# Altium PCB 10515.0500_Display_System（6拼版）_V1.0_20200907.PcbDoc (part 4 of 13)
Units mm, origin at the board's own origin, x right, y up, seen from the top; angles counter-clockwise.
Board outline 157 x 228.4 mm, 4 copper layers (Top Layer, Mid-Layer 1, Mid-Layer 2, Bottom Layer); 516 components, 0 nets, 1971 pads, 894 vias.
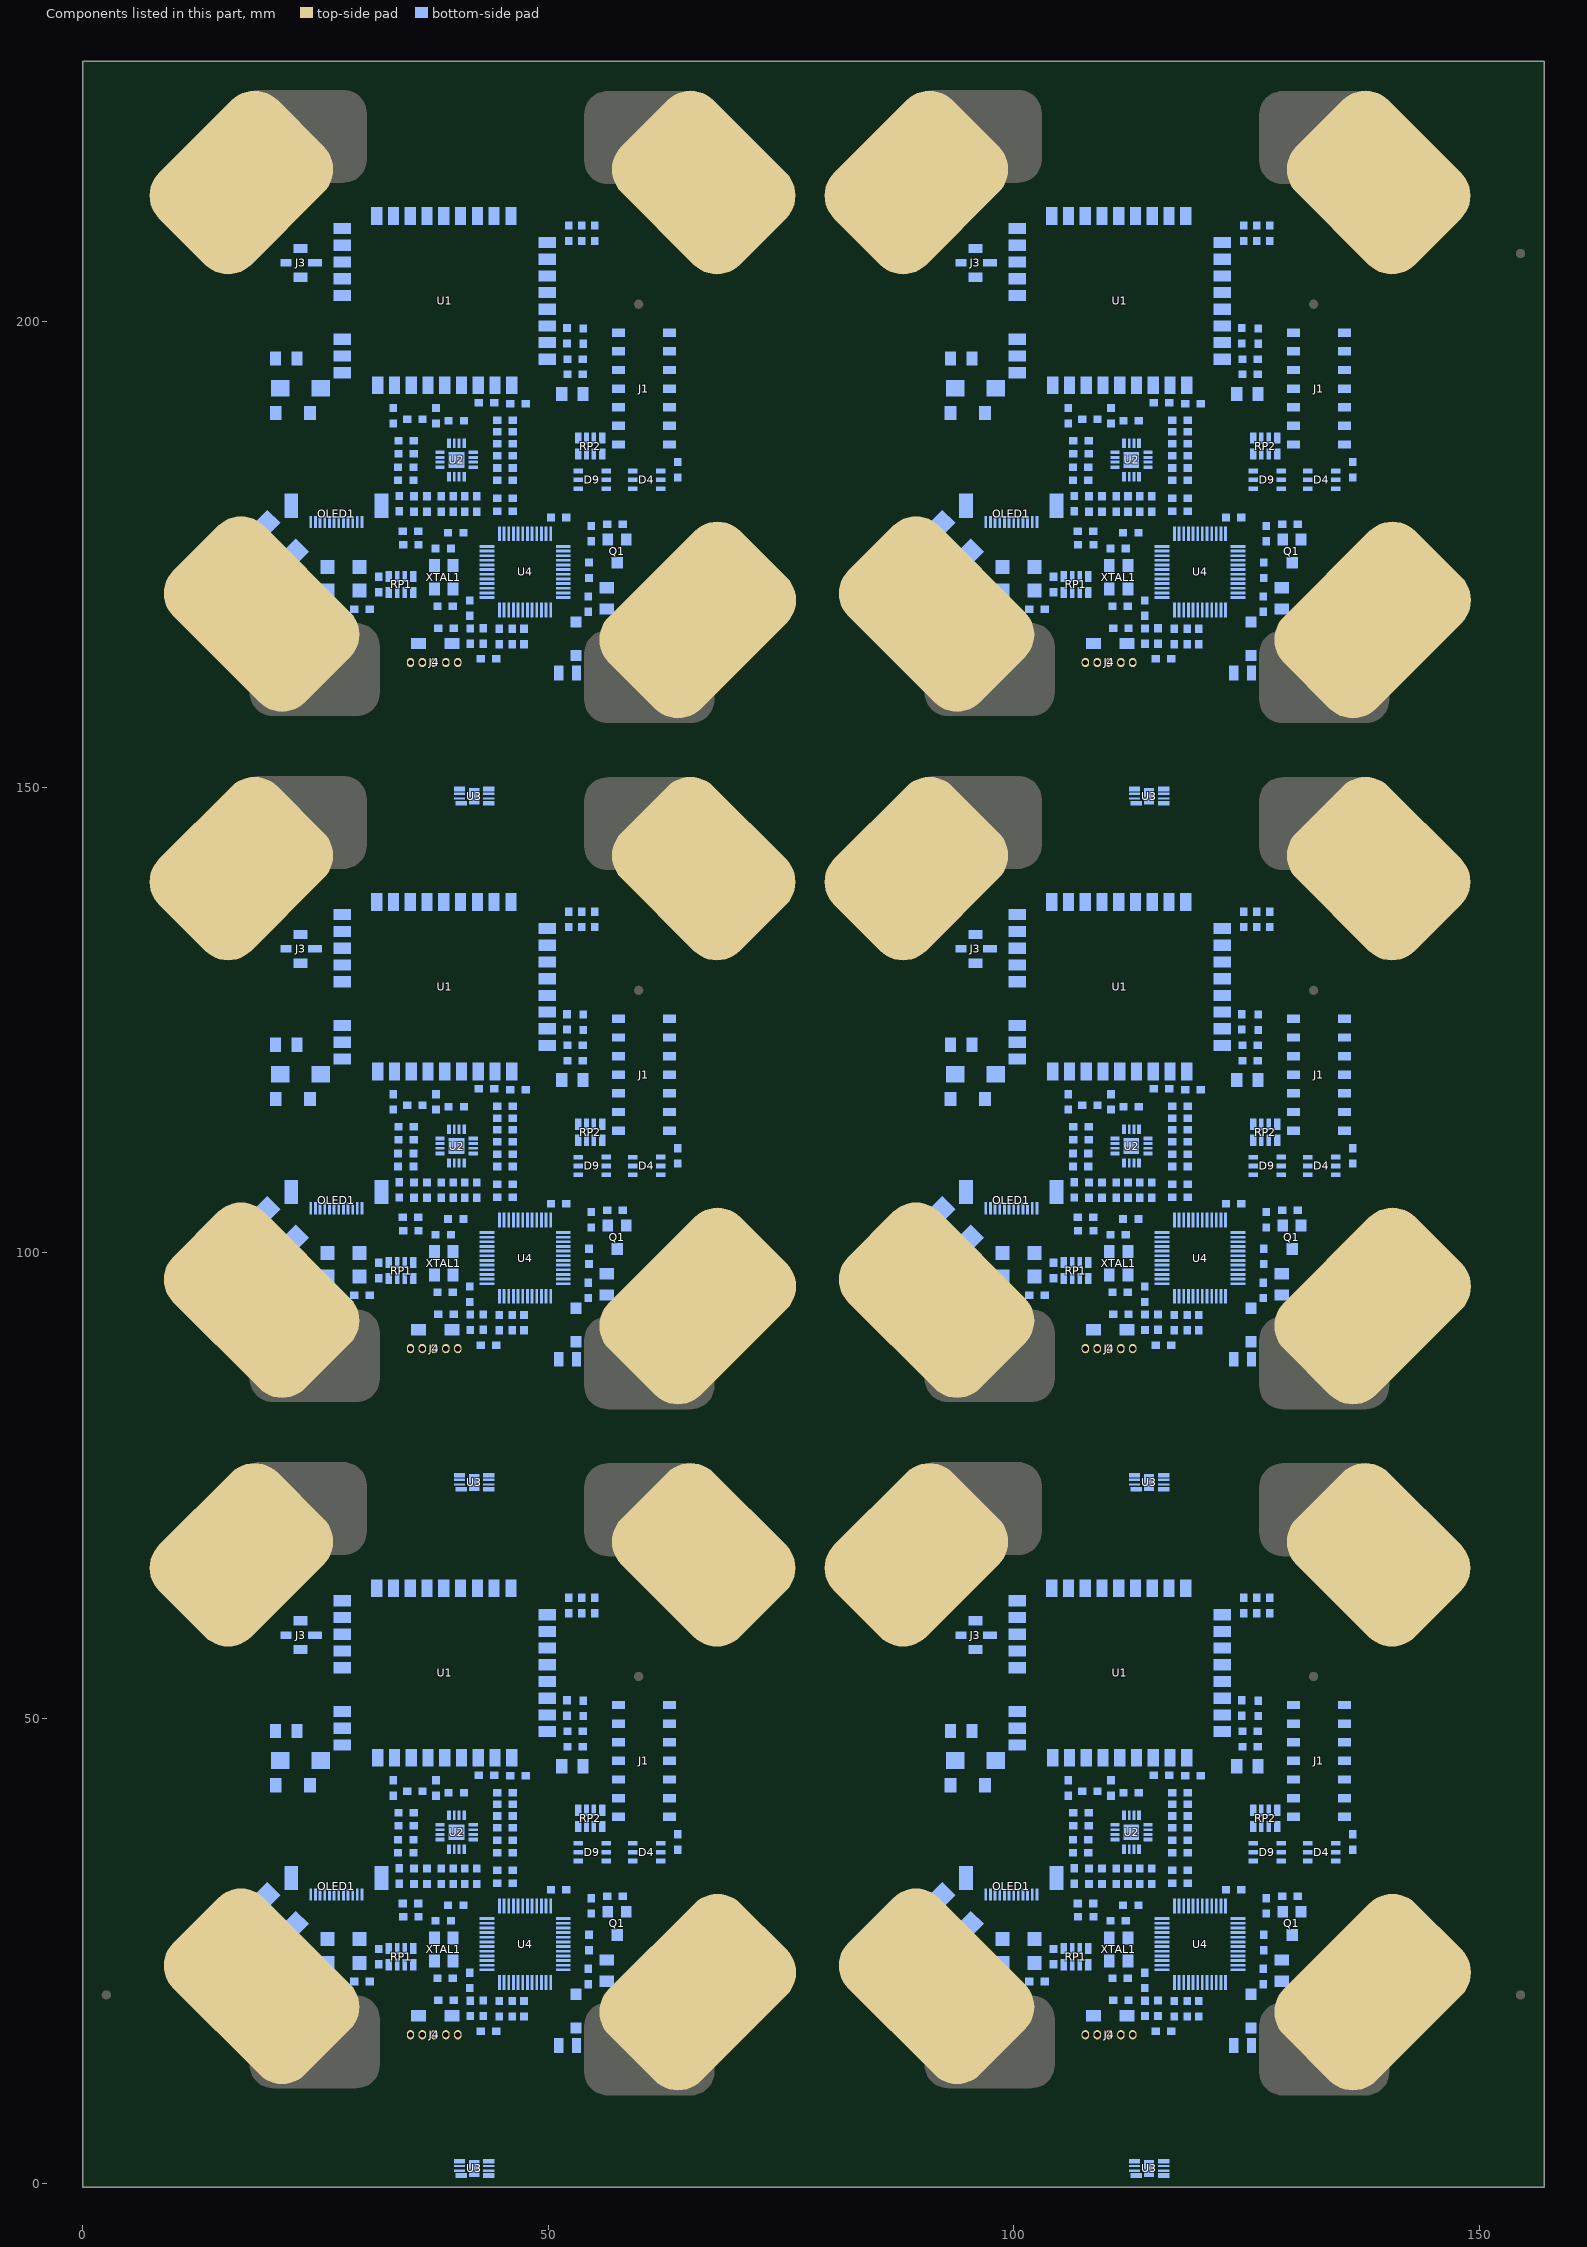
[diagram p6: the components of this part, seen from the top]

## Via types
v1: diameter 0.7, hole 0.4, Top Layer to Bottom Layer, tented both sides, 894 vias

## Nets (pads, with @x,y where several pads share a name; then routed paths per layer and width w, separated by ;. In a path a pad name is that pad's centre, name@x,y a point inside that pad or via, vN(x,y) a via of type N, cw(c..) or ccw(c..) an arc to the next point about the centre after c; other vN are vias at no path point) (continued)
copper on no net: (continued)
  Mid-Layer 2 w0.45: 37.632,16.226 ccw(c37.333,16.524) 37.755,16.524 ccw(c38.178,16.524) 37.879,16.226 ; 37.632,89.926 ccw(c37.333,90.224) 37.755,90.224 ccw(c38.178,90.224) 37.879,89.926 ; 37.632,163.626 ccw(c37.333,163.924) 37.755,163.924 ccw(c38.178,163.924) 37.879,163.626 ; 37.755,16.002 37.755,17.921 ; 37.755,89.702 37.755,91.621 ; 37.755,163.402 37.755,165.321 ; v1(38.517,29.972) 38.517,31.75 38.53,31.763 ; v1(38.517,103.672) 38.517,105.45 38.53,105.463 ; v1(38.517,177.372) 38.517,179.15 38.53,179.163 ; v1(40.93,43.688) 40.93,44.323 ; v1(40.93,117.388) 40.93,118.023 ; v1(40.93,191.088) 40.93,191.723 ; v1(47.407,17.145) 47.407,17.907 ; v1(47.407,90.845) 47.407,91.607 ; v1(47.407,164.545) 47.407,165.307 ; 48.169,32.512 47.915,32.512 ; 48.169,106.212 47.915,106.212 ; 48.169,179.912 47.915,179.912 ; 48.296,32.512 47.915,32.512 ; 48.296,106.212 47.915,106.212 ; 48.296,179.912 47.915,179.912 ; v1(48.55,50.292) 49.439,51.181 v1(49.439,64.008) ; v1(48.55,123.992) 49.439,124.881 v1(49.439,137.708) ; v1(48.55,197.692) 49.439,198.581 v1(49.439,211.408) ; 48.677,33.274 47.915,32.512 ; 48.677,106.974 47.915,106.212 ; 48.677,180.674 47.915,179.912 ; v1@49.998,32.246 cw(c50.358,32.38) 50.087,32.651 ; v1@49.998,105.946 cw(c50.358,106.08) 50.087,106.351 ; v1@49.998,179.646 cw(c50.358,179.78) 50.087,180.051 ; v1@50.073,32.589 cw(c50.499,32.163) 50.499,32.766 ; v1@50.073,106.289 cw(c50.499,105.863) 50.499,106.466 ; v1@50.073,179.989 cw(c50.499,179.563) 50.499,180.166 ; v1@50.391,32.271 cw(c51.586,31.077) 51.586,32.766 ; v1@50.391,105.971 cw(c51.586,104.777) 51.586,106.466 ; v1@50.391,179.671 cw(c51.586,178.477) 51.586,180.166 ; v1@50.42,32.403 cw(c51.081,32.649) 50.582,33.147 ; v1@50.42,106.103 cw(c51.081,106.349) 50.582,106.847 ; v1@50.42,179.803 cw(c51.081,180.049) 50.582,180.547 ; 57.553,32.131 56.918,32.766 56.678,32.766 ; 57.553,32.766 56.678,32.766 ; 57.553,33.147 57.059,33.147 ; 57.553,33.641 57.059,33.147 ; 57.553,105.831 56.918,106.466 56.678,106.466 ; 57.553,106.466 56.678,106.466 ; 57.553,106.847 57.059,106.847 ; 57.553,107.341 57.059,106.847 ; 57.553,179.531 56.918,180.166 56.678,180.166 ; 57.553,180.166 56.678,180.166 ; 57.553,180.547 57.059,180.547 ; 57.553,181.041 57.059,180.547 ; 110.132,16.226 ccw(c109.833,16.524) 110.255,16.524 ccw(c110.678,16.524) 110.379,16.226 ; 110.132,89.926 ccw(c109.833,90.224) 110.255,90.224 ccw(c110.678,90.224) 110.379,89.926 ; 110.132,163.626 ccw(c109.833,163.924) 110.255,163.924 ccw(c110.678,163.924) 110.379,163.626 ; 110.255,16.002 110.255,17.921 ; 110.255,89.702 110.255,91.621 ; 110.255,163.402 110.255,165.321 ; v1(111.017,29.972) 111.017,31.75 111.03,31.763 ; v1(111.017,103.672) 111.017,105.45 111.03,105.463 ; v1(111.017,177.372) 111.017,179.15 111.03,179.163 ; v1(113.43,43.688) 113.43,44.323 ; v1(113.43,117.388) 113.43,118.023 ; v1(113.43,191.088) 113.43,191.723 ; v1(119.907,17.145) 119.907,17.907 ; v1(119.907,90.845) 119.907,91.607 ; v1(119.907,164.545) 119.907,165.307 ; 120.669,32.512 120.415,32.512 ; 120.669,106.212 120.415,106.212 ; 120.669,179.912 120.415,179.912 ; 120.796,32.512 120.415,32.512 ; 120.796,106.212 120.415,106.212 ; 120.796,179.912 120.415,179.912 ; v1(121.05,50.292) 121.939,51.181 v1(121.939,64.008) ; v1(121.05,123.992) 121.939,124.881 v1(121.939,137.708) ; v1(121.05,197.692) 121.939,198.581 v1(121.939,211.408) ; 121.177,33.274 120.415,32.512 ; 121.177,106.974 120.415,106.212 ; 121.177,180.674 120.415,179.912 ; v1@122.498,32.246 cw(c122.858,32.38) 122.587,32.651 ; v1@122.498,105.946 cw(c122.858,106.08) 122.587,106.351 ; v1@122.498,179.646 cw(c122.858,179.78) 122.587,180.051 ; v1@122.573,32.589 cw(c122.999,32.163) 122.999,32.766 ; v1@122.573,106.289 cw(c122.999,105.863) 122.999,106.466 ; v1@122.573,179.989 cw(c122.999,179.563) 122.999,180.166 ; v1@122.891,32.271 cw(c124.086,31.077) 124.086,32.766 ; v1@122.891,105.971 cw(c124.086,104.777) 124.086,106.466 ; v1@122.891,179.671 cw(c124.086,178.477) 124.086,180.166 ; v1@122.92,32.403 cw(c123.581,32.649) 123.082,33.147 ; v1@122.92,106.103 cw(c123.581,106.349) 123.082,106.847 ; v1@122.92,179.803 cw(c123.581,180.049) 123.082,180.547 ; 130.053,32.131 129.418,32.766 129.178,32.766 ; 130.053,32.766 129.178,32.766 ; 130.053,33.147 129.559,33.147 ; 130.053,33.641 129.559,33.147 ; 130.053,105.831 129.418,106.466 129.178,106.466 ; 130.053,106.466 129.178,106.466 ; 130.053,106.847 129.559,106.847 ; 130.053,107.341 129.559,106.847 ; 130.053,179.531 129.418,180.166 129.178,180.166 ; 130.053,180.166 129.178,180.166 ; 130.053,180.547 129.559,180.547 ; 130.053,181.041 129.559,180.547 ; 38.53,31.763 38.53,32.144 38.898,32.512 39.279,32.512 ; 38.53,31.763 39.279,32.512 ; 38.53,105.463 38.53,105.844 38.898,106.212 39.279,106.212 ; 38.53,105.463 39.279,106.212 ; 38.53,179.163 38.53,179.544 38.898,179.912 39.279,179.912 ; 38.53,179.163 39.279,179.912 ; 39.279,32.512 47.915,32.512 ; 39.279,106.212 47.915,106.212 ; 39.279,179.912 47.915,179.912 ; 50.582,33.147 50.303,32.868 v1(50.303,32.36) 50.709,32.766 56.678,32.766 ; 50.582,33.147 57.059,33.147 ; 50.582,106.847 50.303,106.568 v1(50.303,106.06) 50.709,106.466 56.678,106.466 ; 50.582,106.847 57.059,106.847 ; 50.582,180.547 50.303,180.268 v1(50.303,179.76) 50.709,180.166 56.678,180.166 ; 50.582,180.547 57.059,180.547 ; 111.03,31.763 111.03,32.144 111.398,32.512 111.779,32.512 ; 111.03,31.763 111.779,32.512 ; 111.03,105.463 111.03,105.844 111.398,106.212 111.779,106.212 ; 111.03,105.463 111.779,106.212 ; 111.03,179.163 111.03,179.544 111.398,179.912 111.779,179.912 ; 111.03,179.163 111.779,179.912 ; 111.779,32.512 120.415,32.512 ; 111.779,106.212 120.415,106.212 ; 111.779,179.912 120.415,179.912 ; 123.082,33.147 122.803,32.868 v1(122.803,32.36) 123.209,32.766 129.178,32.766 ; 123.082,33.147 129.559,33.147 ; 123.082,106.847 122.803,106.568 v1(122.803,106.06) 123.209,106.466 129.178,106.466 ; 123.082,106.847 129.559,106.847 ; 123.082,180.547 122.803,180.268 v1(122.803,179.76) 123.209,180.166 129.178,180.166 ; 123.082,180.547 129.559,180.547
  Mid-Layer 2 w0.65: 23.658,33.147 23.708,33.197 29.637,33.197 v1(30.008,32.826) 30.516,32.318 30.516,28.702 ; 23.658,106.847 23.708,106.897 29.637,106.897 v1(30.008,106.526) 30.516,106.018 30.516,102.402 ; 23.658,180.547 23.708,180.597 29.637,180.597 v1(30.008,180.226) 30.516,179.718 30.516,176.102 ; 29.052,33.197 cw(c29.052,31.87) v1@29.991,32.808 ; 29.052,106.897 cw(c29.052,105.57) v1@29.991,106.508 ; 29.052,180.597 cw(c29.052,179.27) v1@29.991,180.208 ; v1@29.712,25.037 ccw(c28.765,25.983) 30.104,25.983 ; v1@29.712,98.737 ccw(c28.765,99.683) 30.104,99.683 ; v1@29.712,172.437 ccw(c28.765,173.383) 30.104,173.383 ; 30.008,26.035 31.278,27.305 ; 30.008,99.735 31.278,101.005 ; 30.008,173.435 31.278,174.705 ; 30.104,25.393 30.104,26.384 30.516,25.971 ; 30.104,99.093 30.104,100.084 30.516,99.671 ; 30.104,172.793 30.104,173.784 30.516,173.371 ; 37.755,16.002 37.755,13.462 39.914,11.303 v1(39.914,7.493) ; 37.755,18.048 46.137,18.048 ; 37.755,89.702 37.755,87.162 39.914,85.003 v1(39.914,81.193) ; 37.755,91.748 46.137,91.748 ; 37.755,163.402 37.755,160.862 39.914,158.703 v1(39.914,154.893) ; 37.755,165.448 46.137,165.448 ; 41.96,18.048 cw(c41.96,17.554) v1@42.31,17.903 ; 41.96,91.748 cw(c41.96,91.254) v1@42.31,91.603 ; 41.96,165.448 cw(c41.96,164.954) v1@42.31,165.303 ; v1@42.345,17.903 cw(c42.694,17.554) 42.694,18.048 ; v1@42.345,91.603 cw(c42.694,91.254) 42.694,91.748 ; v1@42.345,165.303 cw(c42.694,164.954) 42.694,165.448 ; 46.772,18.034 47.407,18.034 ; 46.772,18.048 46.137,18.048 ; 46.772,91.734 47.407,91.734 ; 46.772,91.748 46.137,91.748 ; 46.772,165.434 47.407,165.434 ; 46.772,165.448 46.137,165.448 ; 47.421,18.048 46.137,18.048 ; 47.421,91.748 46.137,91.748 ; 47.421,165.448 46.137,165.448 ; 48.028,17.921 47.421,17.921 ; 48.028,91.621 47.421,91.621 ; 48.028,165.321 47.421,165.321 ; 48.279,44.958 cw(c48.279,43.163) v1@49.549,44.432 ; 48.279,118.658 cw(c48.279,116.863) v1@49.549,118.132 ; 48.279,192.358 cw(c48.279,190.563) v1@49.549,191.832 ; 48.296,32.512 48.677,32.893 48.677,33.274 48.677,43.561 ; 48.296,106.212 48.677,106.593 48.677,106.974 48.677,117.261 ; 48.296,179.912 48.677,180.293 48.677,180.674 48.677,190.961 ; v1(48.677,23.495) 48.677,19.177 ; v1(48.677,97.195) 48.677,92.877 ; v1(48.677,170.895) 48.677,166.577 ; v1@49.584,44.432 cw(c50.853,43.163) 50.853,44.958 ; v1@49.584,118.132 cw(c50.853,116.863) 50.853,118.658 ; v1@49.584,191.832 cw(c50.853,190.563) 50.853,192.358 ; 53.884,23.876 v1(55.281,23.876) ; 53.884,97.576 v1(55.281,97.576) ; 53.884,171.276 v1(55.281,171.276) ; 57.44,43.434 56.424,44.45 ; 57.44,117.134 56.424,118.15 ; 57.44,190.834 56.424,191.85 ; v1@57.583,24.765 57.553,35.687 57.553,44.096 ; v1@57.583,98.465 57.553,109.387 57.553,117.796 ; v1@57.583,172.165 57.553,183.087 57.553,191.496 ; 57.8,46.969 cw(c58.71,46.059) v1@58.71,47.346 ; 57.8,120.669 cw(c58.71,119.759) v1@58.71,121.046 ; 57.8,194.369 cw(c58.71,193.459) v1@58.71,194.746 ; 57.948,47.117 cw(c58.541,46.524) v1@58.705,47.346 ; 57.948,120.817 cw(c58.541,120.224) v1@58.705,121.046 ; 57.948,194.517 cw(c58.541,193.924) v1@58.705,194.746 ; v1(60.615,47.371) v1(59.345,47.371) v1(58.71,47.371) 58.202,47.371 ; v1(60.615,121.071) v1(59.345,121.071) v1(58.71,121.071) 58.202,121.071 ; v1(60.615,194.771) v1(59.345,194.771) v1(58.71,194.771) 58.202,194.771 ; 96.158,33.147 96.208,33.197 102.137,33.197 v1(102.508,32.826) 103.016,32.318 103.016,28.702 ; 96.158,106.847 96.208,106.897 102.137,106.897 v1(102.508,106.526) 103.016,106.018 103.016,102.402 ; 96.158,180.547 96.208,180.597 102.137,180.597 v1(102.508,180.226) 103.016,179.718 103.016,176.102 ; 101.552,33.197 cw(c101.552,31.87) v1@102.491,32.808 ; 101.552,106.897 cw(c101.552,105.57) v1@102.491,106.508 ; 101.552,180.597 cw(c101.552,179.27) v1@102.491,180.208 ; v1@102.212,25.037 ccw(c101.265,25.983) 102.604,25.983 ; v1@102.212,98.737 ccw(c101.265,99.683) 102.604,99.683 ; v1@102.212,172.437 ccw(c101.265,173.383) 102.604,173.383 ; 102.508,26.035 103.778,27.305 ; 102.508,99.735 103.778,101.005 ; 102.508,173.435 103.778,174.705 ; 102.604,25.393 102.604,26.384 103.016,25.971 ; 102.604,99.093 102.604,100.084 103.016,99.671 ; 102.604,172.793 102.604,173.784 103.016,173.371 ; 110.255,16.002 110.255,13.462 112.414,11.303 v1(112.414,7.493) ; 110.255,18.048 118.637,18.048 ; 110.255,89.702 110.255,87.162 112.414,85.003 v1(112.414,81.193) ; 110.255,91.748 118.637,91.748 ; 110.255,163.402 110.255,160.862 112.414,158.703 v1(112.414,154.893) ; 110.255,165.448 118.637,165.448 ; 114.46,18.048 cw(c114.46,17.554) v1@114.81,17.903 ; 114.46,91.748 cw(c114.46,91.254) v1@114.81,91.603 ; 114.46,165.448 cw(c114.46,164.954) v1@114.81,165.303 ; v1@114.845,17.903 cw(c115.194,17.554) 115.194,18.048 ; v1@114.845,91.603 cw(c115.194,91.254) 115.194,91.748 ; v1@114.845,165.303 cw(c115.194,164.954) 115.194,165.448 ; 119.272,18.034 119.907,18.034 ; 119.272,18.048 118.637,18.048 ; 119.272,91.734 119.907,91.734 ; 119.272,91.748 118.637,91.748 ; 119.272,165.434 119.907,165.434 ; 119.272,165.448 118.637,165.448 ; 119.921,18.048 118.637,18.048 ; 119.921,91.748 118.637,91.748 ; 119.921,165.448 118.637,165.448 ; 120.528,17.921 119.921,17.921 ; 120.528,91.621 119.921,91.621 ; 120.528,165.321 119.921,165.321 ; 120.78,44.958 cw(c120.78,43.163) v1@122.049,44.432 ; 120.78,118.658 cw(c120.78,116.863) v1@122.049,118.132 ; 120.78,192.358 cw(c120.78,190.563) v1@122.049,191.832 ; 120.796,32.512 121.177,32.893 121.177,33.274 121.177,43.561 ; 120.796,106.212 121.177,106.593 121.177,106.974 121.177,117.261 ; 120.796,179.912 121.177,180.293 121.177,180.674 121.177,190.961 ; v1(121.177,23.495) 121.177,19.177 ; v1(121.177,97.195) 121.177,92.877 ; v1(121.177,170.895) 121.177,166.577 ; v1@122.084,44.432 cw(c123.353,43.163) 123.353,44.958 ; v1@122.084,118.132 cw(c123.353,116.863) 123.353,118.658 ; v1@122.084,191.832 cw(c123.353,190.563) 123.353,192.358 ; 126.384,23.876 v1(127.781,23.876) ; 126.384,97.576 v1(127.781,97.576) ; 126.384,171.276 v1(127.781,171.276) ; 129.94,43.434 128.924,44.45 ; 129.94,117.134 128.924,118.15 ; 129.94,190.834 128.924,191.85 ; v1@130.083,24.765 130.053,35.687 130.053,44.096 ; v1@130.083,98.465 130.053,109.387 130.053,117.796 ; v1@130.083,172.165 130.053,183.087 130.053,191.496 ; 130.3,46.969 cw(c131.21,46.059) v1@131.21,47.346 ; 130.3,120.669 cw(c131.21,119.759) v1@131.21,121.046 ; 130.3,194.369 cw(c131.21,193.459) v1@131.21,194.746 ; 130.448,47.117 cw(c131.041,46.524) v1@131.205,47.346 ; 130.448,120.817 cw(c131.041,120.224) v1@131.205,121.046 ; 130.448,194.517 cw(c131.041,193.924) v1@131.205,194.746 ; v1(133.115,47.371) v1(131.845,47.371) v1(131.21,47.371) 130.702,47.371 ; v1(133.115,121.071) v1(131.845,121.071) v1(131.21,121.071) 130.702,121.071 ; v1(133.115,194.771) v1(131.845,194.771) v1(131.21,194.771) 130.702,194.771 ; v1(29.729,25.019) 29.729,26.963 30.516,27.749 30.516,27.813 ; v1(29.729,25.019) 29.729,26.758 30.414,26.758 30.516,26.86 30.516,25.806 v1(29.729,25.019) ; v1(29.729,98.719) 29.729,100.663 30.516,101.449 30.516,101.513 ; v1(29.729,98.719) 29.729,100.458 30.414,100.458 30.516,100.56 30.516,99.506 v1(29.729,98.719) ; v1(29.729,172.419) 29.729,174.363 30.516,175.149 30.516,175.213 ; v1(29.729,172.419) 29.729,174.158 30.414,174.158 30.516,174.26 30.516,173.206 v1(29.729,172.419) ; 30.516,27.813 30.516,27.305 31.278,27.305 ; 30.516,27.813 30.516,28.702 ; 30.516,28.702 30.516,28.448 31.177,27.788 v1(36.079,27.788) 35.596,27.305 31.278,27.305 ; 30.516,101.513 30.516,101.005 31.278,101.005 ; 30.516,101.513 30.516,102.402 ; 30.516,102.402 30.516,102.148 31.177,101.488 v1(36.079,101.488) 35.596,101.005 31.278,101.005 ; 30.516,175.213 30.516,174.705 31.278,174.705 ; 30.516,175.213 30.516,176.102 ; 30.516,176.102 30.516,175.848 31.177,175.188 v1(36.079,175.188) 35.596,174.705 31.278,174.705 ; 47.421,17.921 47.407,17.907 48.042,17.907 48.677,18.542 48.677,19.177 ; 47.421,17.921 48.677,19.177 ; 47.421,91.621 47.407,91.607 48.042,91.607 48.677,92.242 48.677,92.877 ; 47.421,91.621 48.677,92.877 ; 47.421,165.321 47.407,165.307 48.042,165.307 48.677,165.942 48.677,166.577 ; 47.421,165.321 48.677,166.577 ; 47.788,44.45 48.677,43.561 ; 47.788,44.45 48.677,44.45 ; 47.788,44.45 v1(28.103,44.45) 28.611,44.958 56.297,44.958 56.932,45.593 ; 47.788,118.15 48.677,117.261 ; 47.788,118.15 48.677,118.15 ; 47.788,118.15 v1(28.103,118.15) 28.611,118.658 56.297,118.658 56.932,119.293 ; 47.788,191.85 48.677,190.961 ; 47.788,191.85 48.677,191.85 ; 47.788,191.85 v1(28.103,191.85) 28.611,192.358 56.297,192.358 56.932,192.993 ; 48.677,43.561 v1(49.566,44.45) ; 48.677,43.561 48.677,44.45 ; 48.677,44.45 v1(49.566,44.45) ; 48.677,117.261 v1(49.566,118.15) ; 48.677,117.261 48.677,118.15 ; 48.677,118.15 v1(49.566,118.15) ; 48.677,190.961 v1(49.566,191.85) ; 48.677,190.961 48.677,191.85 ; 48.677,191.85 v1(49.566,191.85) ; v1(49.566,44.45) 56.424,44.45 ; v1(49.566,118.15) 56.424,118.15 ; v1(49.566,191.85) 56.424,191.85 ; 56.424,44.45 56.932,44.958 56.932,45.593 ; 56.424,44.45 57.199,44.45 57.553,44.096 ; 56.424,118.15 56.932,118.658 56.932,119.293 ; 56.424,118.15 57.199,118.15 57.553,117.796 ; 56.424,191.85 56.932,192.358 56.932,192.993 ; 56.424,191.85 57.199,191.85 57.553,191.496 ; 56.932,45.593 56.932,46.863 57.44,47.371 58.202,47.371 ; 56.932,119.293 56.932,120.563 57.44,121.071 58.202,121.071 ; 56.932,192.993 56.932,194.263 57.44,194.771 58.202,194.771 ; 57.553,44.096 57.553,46.722 58.202,47.371 ; 57.553,117.796 57.553,120.422 58.202,121.071 ; 57.553,191.496 57.553,194.122 58.202,194.771 ; v1(102.229,25.019) 102.229,26.963 103.016,27.749 103.016,27.813 ; v1(102.229,25.019) 102.229,26.758 102.914,26.758 103.016,26.86 103.016,25.806 v1(102.229,25.019) ; v1(102.229,98.719) 102.229,100.663 103.016,101.449 103.016,101.513 ; v1(102.229,98.719) 102.229,100.458 102.914,100.458 103.016,100.56 103.016,99.506 v1(102.229,98.719) ; v1(102.229,172.419) 102.229,174.363 103.016,175.149 103.016,175.213 ; v1(102.229,172.419) 102.229,174.158 102.914,174.158 103.016,174.26 103.016,173.206 v1(102.229,172.419) ; 103.016,27.813 103.016,27.305 103.778,27.305 ; 103.016,27.813 103.016,28.702 ; 103.016,28.702 103.016,28.448 103.677,27.788 v1(108.579,27.788) 108.096,27.305 103.778,27.305 ; 103.016,101.513 103.016,101.005 103.778,101.005 ; 103.016,101.513 103.016,102.402 ; 103.016,102.402 103.016,102.148 103.677,101.488 v1(108.579,101.488) 108.096,101.005 103.778,101.005 ; 103.016,175.213 103.016,174.705 103.778,174.705 ; 103.016,175.213 103.016,176.102 ; 103.016,176.102 103.016,175.848 103.677,175.188 v1(108.579,175.188) 108.096,174.705 103.778,174.705 ; 119.921,17.921 119.907,17.907 120.542,17.907 121.177,18.542 121.177,19.177 ; 119.921,17.921 121.177,19.177 ; 119.921,91.621 119.907,91.607 120.542,91.607 121.177,92.242 121.177,92.877 ; 119.921,91.621 121.177,92.877 ; 119.921,165.321 119.907,165.307 120.542,165.307 121.177,165.942 121.177,166.577 ; 119.921,165.321 121.177,166.577 ; 120.288,44.45 121.177,43.561 ; 120.288,44.45 121.177,44.45 ; 120.288,44.45 v1(100.603,44.45) 101.111,44.958 128.797,44.958 129.432,45.593 ; 120.288,118.15 121.177,117.261 ; 120.288,118.15 121.177,118.15 ; 120.288,118.15 v1(100.603,118.15) 101.111,118.658 128.797,118.658 129.432,119.293 ; 120.288,191.85 121.177,190.961 ; 120.288,191.85 121.177,191.85 ; 120.288,191.85 v1(100.603,191.85) 101.111,192.358 128.797,192.358 129.432,192.993 ; 121.177,43.561 v1(122.066,44.45) ; 121.177,43.561 121.177,44.45 ; 121.177,44.45 v1(122.066,44.45) ; 121.177,117.261 v1(122.066,118.15) ; 121.177,117.261 121.177,118.15 ; 121.177,118.15 v1(122.066,118.15) ; 121.177,190.961 v1(122.066,191.85) ; 121.177,190.961 121.177,191.85 ; 121.177,191.85 v1(122.066,191.85) ; v1(122.066,44.45) 128.924,44.45 ; v1(122.066,118.15) 128.924,118.15 ; v1(122.066,191.85) 128.924,191.85 ; 128.924,44.45 129.432,44.958 129.432,45.593 ; 128.924,44.45 129.699,44.45 130.053,44.096 ; 128.924,118.15 129.432,118.658 129.432,119.293 ; 128.924,118.15 129.699,118.15 130.053,117.796 ; 128.924,191.85 129.432,192.358 129.432,192.993 ; 128.924,191.85 129.699,191.85 130.053,191.496 ; 129.432,45.593 129.432,46.863 129.94,47.371 130.702,47.371 ; 129.432,119.293 129.432,120.563 129.94,121.071 130.702,121.071 ; 129.432,192.993 129.432,194.263 129.94,194.771 130.702,194.771 ; 130.053,44.096 130.053,46.722 130.702,47.371 ; 130.053,117.796 130.053,120.422 130.702,121.071 ; 130.053,191.496 130.053,194.122 130.702,194.771
  Bottom Layer w0.152: 27.742,27.539 31.171,27.539 31.659,27.051 ; 27.742,101.239 31.171,101.239 31.659,100.751 ; 27.742,174.939 31.171,174.939 31.659,174.451 ; 100.242,27.539 103.671,27.539 104.159,27.051 ; 100.242,101.239 103.671,101.239 104.159,100.751 ; 100.242,174.939 103.671,174.939 104.159,174.451
  Bottom Layer w0.17: v1(31.913,36.957) 33.882,36.957 ; v1(31.913,110.657) 33.882,110.657 ; v1(31.913,184.357) 33.882,184.357 ; v1@32.101,36.77 cw(c32.553,36.317) 32.553,36.957 cw(c32.553,37.597) v1@32.101,37.144 ; v1@32.101,110.47 cw(c32.553,110.017) 32.553,110.657 cw(c32.553,111.297) v1@32.101,110.844 ; v1@32.101,184.17 cw(c32.553,183.717) 32.553,184.357 cw(c32.553,184.997) v1@32.101,184.544 ; v1(32.167,35.56) 33.882,35.56 ; v1(32.167,109.26) 33.882,109.26 ; v1(32.167,182.96) 33.882,182.96 ; v1@32.355,35.373 cw(c32.807,34.92) 32.807,35.56 cw(c32.807,36.2) v1@32.355,35.747 ; v1@32.355,109.073 cw(c32.807,108.62) 32.807,109.26 cw(c32.807,109.9) v1@32.355,109.447 ; v1@32.355,182.773 cw(c32.807,182.32) 32.807,182.96 cw(c32.807,183.6) v1@32.355,183.147 ; 33.616,35.333 ccw(c33.068,34.784) 33.068,35.56 ccw(c33.068,36.336) 33.616,35.787 ; 33.616,36.73 ccw(c33.068,36.181) 33.068,36.957 ccw(c33.068,37.733) 33.616,37.184 ; 33.616,109.033 ccw(c33.068,108.484) 33.068,109.26 ccw(c33.068,110.036) 33.616,109.487 ; 33.616,110.43 ccw(c33.068,109.881) 33.068,110.657 ccw(c33.068,111.433) 33.616,110.884 ; 33.616,182.733 ccw(c33.068,182.184) 33.068,182.96 ccw(c33.068,183.736) 33.616,183.187 ; 33.616,184.13 ccw(c33.068,183.581) 33.068,184.357 ccw(c33.068,185.133) 33.616,184.584 ; 35.533,35.56 36.231,35.56 ; 35.533,36.957 36.096,37.52 ; 35.533,109.26 36.231,109.26 ; 35.533,110.657 36.096,111.22 ; 35.533,182.96 36.231,182.96 ; 35.533,184.357 36.096,184.92 ; 35.571,37.278 ccw(c35.571,37.962) 36.054,37.479 ; 35.571,110.978 ccw(c35.571,111.662) 36.054,111.179 ; 35.571,184.678 ccw(c35.571,185.362) 36.054,184.879 ; 35.824,35.362 cw(c36.231,35.042) 36.231,35.56 ; 35.824,35.758 ccw(c36.231,36.078) 36.231,35.56 ; 35.824,109.062 cw(c36.231,108.742) 36.231,109.26 ; 35.824,109.458 ccw(c36.231,109.778) 36.231,109.26 ; 35.824,182.762 cw(c36.231,182.442) 36.231,182.96 ; 35.824,183.158 ccw(c36.231,183.478) 36.231,182.96 ; 35.892,36.978 cw(c36.594,37.023) 36.096,37.52 ; 35.892,110.678 cw(c36.594,110.723) 36.096,111.22 ; 35.892,184.378 cw(c36.594,184.423) 36.096,184.92 ; 37.994,37.475 ccw(c37.883,37.364) 37.883,37.52 ccw(c37.883,37.677) 37.994,37.566 ; 37.994,111.175 ccw(c37.883,111.064) 37.883,111.22 ccw(c37.883,111.377) 37.994,111.266 ; 37.994,184.875 ccw(c37.883,184.764) 37.883,184.92 ccw(c37.883,185.077) 37.994,184.966 ; 38.009,36.889 ccw(c37.813,36.693) 37.813,36.971 ccw(c37.813,37.248) 38.009,37.052 ; 38.009,110.589 ccw(c37.813,110.393) 37.813,110.671 ccw(c37.813,110.948) 38.009,110.752 ; 38.009,184.289 ccw(c37.813,184.093) 37.813,184.37 ccw(c37.813,184.648) 38.009,184.452 ; 38.39,36.971 36.88,36.971 36.612,36.703 36.612,35.941 36.231,35.56 ; 38.39,37.52 36.096,37.52 ; 38.39,110.671 36.88,110.671 36.612,110.403 36.612,109.641 36.231,109.26 ; 38.39,111.22 36.096,111.22 ; 38.39,184.37 36.88,184.37 36.612,184.103 36.612,183.341 36.231,182.96 ; 38.39,184.92 36.096,184.92 ; 41.057,35.687 44.232,35.687 ; 41.057,109.387 44.232,109.387 ; 41.057,183.087 44.232,183.087 ; 41.062,35.56 cw(c41.369,35.252) 41.369,35.687 ; 41.062,109.26 cw(c41.369,108.952) 41.369,109.387 ; 41.062,182.96 cw(c41.369,182.652) 41.369,183.087 ; 41.946,36.971 44.55,36.971 ; 41.946,110.671 44.55,110.671 ; 41.946,184.37 44.55,184.37 ; 42.328,36.889 cw(c42.524,36.693) 42.524,36.971 cw(c42.524,37.248) 42.328,37.052 ; 42.328,110.589 cw(c42.524,110.393) 42.524,110.671 cw(c42.524,110.948) 42.328,110.752 ; 42.328,184.289 cw(c42.524,184.093) 42.524,184.37 cw(c42.524,184.648) 42.328,184.452 ; 43.429,35.687 cw(c43.429,34.477) 44.284,35.333 ; 43.429,109.387 cw(c43.429,108.177) 44.284,109.033 ; 43.429,183.087 cw(c43.429,181.877) 44.284,182.733 ; 43.55,36.971 cw(c43.55,35.932) 44.284,36.666 ; 43.55,110.671 cw(c43.55,109.632) 44.284,110.366 ; 43.55,184.37 cw(c43.55,183.332) 44.284,184.066 ; 43.84,35.687 cw(c43.84,34.888) 44.405,35.453 ; 43.84,109.387 cw(c43.84,108.588) 44.405,109.153 ; 43.84,183.087 cw(c43.84,182.288) 44.405,182.853 ; 43.922,36.971 ccw(c43.922,37.484) 44.284,37.121 ; 43.922,110.671 ccw(c43.922,111.184) 44.284,110.821 ; 43.922,184.37 ccw(c43.922,184.884) 44.284,184.521 ; 43.96,36.971 cw(c43.96,36.342) 44.405,36.786 ; 43.96,110.671 cw(c43.96,110.042) 44.405,110.486 ; 43.96,184.37 cw(c43.96,183.742) 44.405,184.186 ; 44.042,35.687 ccw(c44.042,36.029) 44.284,35.787 ; 44.042,109.387 ccw(c44.042,109.729) 44.284,109.487 ; 44.042,183.087 ccw(c44.042,183.429) 44.284,183.187 ; 46.01,36.639 v1@51.281,36.639 ; 46.01,110.339 v1@51.281,110.339 ; 46.01,184.039 v1@51.281,184.039 ; 46.201,35.56 v1(51.344,35.56) ; 46.201,109.26 v1(51.344,109.26) ; 46.201,182.96 v1(51.344,182.96) ; 46.226,36.88 ccw(c46.807,37.462) 46.807,36.639 ; 46.226,110.58 ccw(c46.807,111.162) 46.807,110.339 ; 46.226,184.28 ccw(c46.807,184.862) 46.807,184.039 ; 46.346,37.001 ccw(c47.218,37.872) 47.218,36.639 ; 46.346,110.701 ccw(c47.218,111.572) 47.218,110.339 ; 46.346,184.401 ccw(c47.218,185.272) 47.218,184.039 ; 46.466,35.333 cw(c47.015,34.784) 47.015,35.56 cw(c47.015,36.336) 46.466,35.787 ; 46.466,37.121 ccw(c47.628,38.283) 47.628,36.639 ; 46.466,109.033 cw(c47.015,108.484) 47.015,109.26 cw(c47.015,110.036) 46.466,109.487 ; 46.466,110.821 ccw(c47.628,111.983) 47.628,110.339 ; 46.466,182.733 cw(c47.015,182.184) 47.015,182.96 cw(c47.015,183.736) 46.466,183.187 ; 46.466,184.521 ccw(c47.628,185.683) 47.628,184.039 ; v1@51.157,35.373 ccw(c50.705,34.92) 50.705,35.56 ccw(c50.705,36.2) v1@51.157,35.747 ; v1@51.157,36.452 ccw(c50.705,36) 50.705,36.639 ccw(c50.705,37.279) v1@51.157,36.827 ; v1@51.157,109.073 ccw(c50.705,108.62) 50.705,109.26 ccw(c50.705,109.9) v1@51.157,109.447 ; v1@51.157,110.152 ccw(c50.705,109.7) 50.705,110.339 ccw(c50.705,110.979) v1@51.157,110.527 ; v1@51.157,182.773 ccw(c50.705,182.32) 50.705,182.96 ccw(c50.705,183.6) v1@51.157,183.147 ; v1@51.157,183.852 ccw(c50.705,183.4) 50.705,184.039 ccw(c50.705,184.679) v1@51.157,184.227 ; v1(104.413,36.957) 106.382,36.957 ; v1(104.413,110.657) 106.382,110.657 ; v1(104.413,184.357) 106.382,184.357 ; v1@104.601,36.77 cw(c105.053,36.317) 105.053,36.957 cw(c105.053,37.597) v1@104.601,37.144 ; v1@104.601,110.47 cw(c105.053,110.017) 105.053,110.657 cw(c105.053,111.297) v1@104.601,110.844 ; v1@104.601,184.17 cw(c105.053,183.717) 105.053,184.357 cw(c105.053,184.997) v1@104.601,184.544 ; v1(104.667,35.56) 106.382,35.56 ; v1(104.667,109.26) 106.382,109.26 ; v1(104.667,182.96) 106.382,182.96 ; v1@104.855,35.373 cw(c105.307,34.92) 105.307,35.56 cw(c105.307,36.2) v1@104.855,35.747 ; v1@104.855,109.073 cw(c105.307,108.62) 105.307,109.26 cw(c105.307,109.9) v1@104.855,109.447 ; v1@104.855,182.773 cw(c105.307,182.32) 105.307,182.96 cw(c105.307,183.6) v1@104.855,183.147 ; 106.116,35.333 ccw(c105.568,34.784) 105.568,35.56 ccw(c105.568,36.336) 106.116,35.787 ; 106.116,36.73 ccw(c105.568,36.181) 105.568,36.957 ccw(c105.568,37.733) 106.116,37.184 ; 106.116,109.033 ccw(c105.568,108.484) 105.568,109.26 ccw(c105.568,110.036) 106.116,109.487 ; 106.116,110.43 ccw(c105.568,109.881) 105.568,110.657 ccw(c105.568,111.433) 106.116,110.884 ; 106.116,182.733 ccw(c105.568,182.184) 105.568,182.96 ccw(c105.568,183.736) 106.116,183.187 ; 106.116,184.13 ccw(c105.568,183.581) 105.568,184.357 ccw(c105.568,185.133) 106.116,184.584 ; 108.033,35.56 108.731,35.56 ; 108.033,36.957 108.596,37.52 ; 108.033,109.26 108.731,109.26 ; 108.033,110.657 108.596,111.22 ; 108.033,182.96 108.731,182.96 ; 108.033,184.357 108.596,184.92 ; 108.071,37.278 ccw(c108.071,37.962) 108.554,37.479 ; 108.071,110.978 ccw(c108.071,111.662) 108.554,111.179 ; 108.071,184.678 ccw(c108.071,185.362) 108.554,184.879 ; 108.324,35.362 cw(c108.731,35.042) 108.731,35.56 ; 108.324,35.758 ccw(c108.731,36.078) 108.731,35.56 ; 108.324,109.062 cw(c108.731,108.742) 108.731,109.26 ; 108.324,109.458 ccw(c108.731,109.778) 108.731,109.26 ; 108.324,182.762 cw(c108.731,182.442) 108.731,182.96 ; 108.324,183.158 ccw(c108.731,183.478) 108.731,182.96 ; 108.392,36.978 cw(c109.094,37.023) 108.596,37.52 ; 108.392,110.678 cw(c109.094,110.723) 108.596,111.22 ; 108.392,184.378 cw(c109.094,184.423) 108.596,184.92 ; 110.494,37.475 ccw(c110.383,37.364) 110.383,37.52 ccw(c110.383,37.677) 110.494,37.566 ; 110.494,111.175 ccw(c110.383,111.064) 110.383,111.22 ccw(c110.383,111.377) 110.494,111.266 ; 110.494,184.875 ccw(c110.383,184.764) 110.383,184.92 ccw(c110.383,185.077) 110.494,184.966 ; 110.509,36.889 ccw(c110.313,36.693) 110.313,36.971 ccw(c110.313,37.248) 110.509,37.052 ; 110.509,110.589 ccw(c110.313,110.393) 110.313,110.671 ccw(c110.313,110.948) 110.509,110.752 ; 110.509,184.289 ccw(c110.313,184.093) 110.313,184.37 ccw(c110.313,184.648) 110.509,184.452 ; 110.89,36.971 109.38,36.971 109.112,36.703 109.112,35.941 108.731,35.56 ; 110.89,37.52 108.596,37.52 ; 110.89,110.671 109.38,110.671 109.112,110.403 109.112,109.641 108.731,109.26 ; 110.89,111.22 108.596,111.22 ; 110.89,184.37 109.38,184.37 109.112,184.103 109.112,183.341 108.731,182.96 ; 110.89,184.92 108.596,184.92 ; 113.557,35.687 116.732,35.687 ; 113.557,109.387 116.732,109.387 ; 113.557,183.087 116.732,183.087 ; 113.562,35.56 cw(c113.869,35.252) 113.869,35.687 ; 113.562,109.26 cw(c113.869,108.952) 113.869,109.387 ; 113.562,182.96 cw(c113.869,182.652) 113.869,183.087 ; 114.446,36.971 117.05,36.971 ; 114.446,110.671 117.05,110.671 ; 114.446,184.37 117.05,184.37 ; 114.828,36.889 cw(c115.024,36.693) 115.024,36.971 cw(c115.024,37.248) 114.828,37.052 ; 114.828,110.589 cw(c115.024,110.393) 115.024,110.671 cw(c115.024,110.948) 114.828,110.752 ; 114.828,184.289 cw(c115.024,184.093) 115.024,184.37 cw(c115.024,184.648) 114.828,184.452 ; 115.929,35.687 cw(c115.929,34.477) 116.784,35.333 ; 115.929,109.387 cw(c115.929,108.177) 116.784,109.033 ; 115.929,183.087 cw(c115.929,181.877) 116.784,182.733 ; 116.05,36.971 cw(c116.05,35.932) 116.784,36.666 ; 116.05,110.671 cw(c116.05,109.632) 116.784,110.366 ; 116.05,184.37 cw(c116.05,183.332) 116.784,184.066 ; 116.34,35.687 cw(c116.34,34.888) 116.905,35.453 ; 116.34,109.387 cw(c116.34,108.588) 116.905,109.153 ; 116.34,183.087 cw(c116.34,182.288) 116.905,182.853 ; 116.422,36.971 ccw(c116.422,37.484) 116.784,37.121 ; 116.422,110.671 ccw(c116.422,111.184) 116.784,110.821 ; 116.422,184.37 ccw(c116.422,184.884) 116.784,184.521 ; 116.46,36.971 cw(c116.46,36.342) 116.905,36.786 ; 116.46,110.671 cw(c116.46,110.042) 116.905,110.486 ; 116.46,184.37 cw(c116.46,183.742) 116.905,184.186 ; 116.542,35.687 ccw(c116.542,36.029) 116.784,35.787 ; 116.542,109.387 ccw(c116.542,109.729) 116.784,109.487 ; 116.542,183.087 ccw(c116.542,183.429) 116.784,183.187 ; 118.51,36.639 v1@123.781,36.639 ; 118.51,110.339 v1@123.781,110.339 ; 118.51,184.039 v1@123.781,184.039 ; 118.701,35.56 v1(123.844,35.56) ; 118.701,109.26 v1(123.844,109.26) ; 118.701,182.96 v1(123.844,182.96) ; 118.726,36.88 ccw(c119.307,37.462) 119.307,36.639 ; 118.726,110.58 ccw(c119.307,111.162) 119.307,110.339 ; 118.726,184.28 ccw(c119.307,184.862) 119.307,184.039 ; 118.846,37.001 ccw(c119.718,37.872) 119.718,36.639 ; 118.846,110.701 ccw(c119.718,111.572) 119.718,110.339 ; 118.846,184.401 ccw(c119.718,185.272) 119.718,184.039 ; 118.966,35.333 cw(c119.515,34.784) 119.515,35.56 cw(c119.515,36.336) 118.966,35.787 ; 118.966,37.121 ccw(c120.128,38.283) 120.128,36.639 ; 118.966,109.033 cw(c119.515,108.484) 119.515,109.26 cw(c119.515,110.036) 118.966,109.487 ; 118.966,110.821 ccw(c120.128,111.983) 120.128,110.339 ; 118.966,182.733 cw(c119.515,182.184) 119.515,182.96 cw(c119.515,183.736) 118.966,183.187 ; 118.966,184.521 ccw(c120.128,185.683) 120.128,184.039 ; v1@123.657,35.373 ccw(c123.205,34.92) 123.205,35.56 ccw(c123.205,36.2) v1@123.657,35.747 ; v1@123.657,36.452 ccw(c123.205,36) 123.205,36.639 ccw(c123.205,37.279) v1@123.657,36.827 ; v1@123.657,109.073 ccw(c123.205,108.62) 123.205,109.26 ccw(c123.205,109.9) v1@123.657,109.447 ; v1@123.657,110.152 ccw(c123.205,109.7) 123.205,110.339 ccw(c123.205,110.979) v1@123.657,110.527 ; v1@123.657,182.773 ccw(c123.205,182.32) 123.205,182.96 ccw(c123.205,183.6) v1@123.657,183.147 ; v1@123.657,183.852 ccw(c123.205,183.4) 123.205,184.039 ccw(c123.205,184.679) v1@123.657,184.227